# Altium PCB PCB v0.4.PcbDoc (part 1 of 2)
Units mm, origin at the board's own origin, x right, y up, seen from the top; angles counter-clockwise.
Board outline 38 x 38 mm, 8 copper layers (Top, GND Top, Signal 1/3.3V, Signal 2, Power 5/VBat, Signal 3, GND Bottom, Bottom), stack 1.211 mm thick; 176 components, 122 nets, 689 pads, 592 vias.
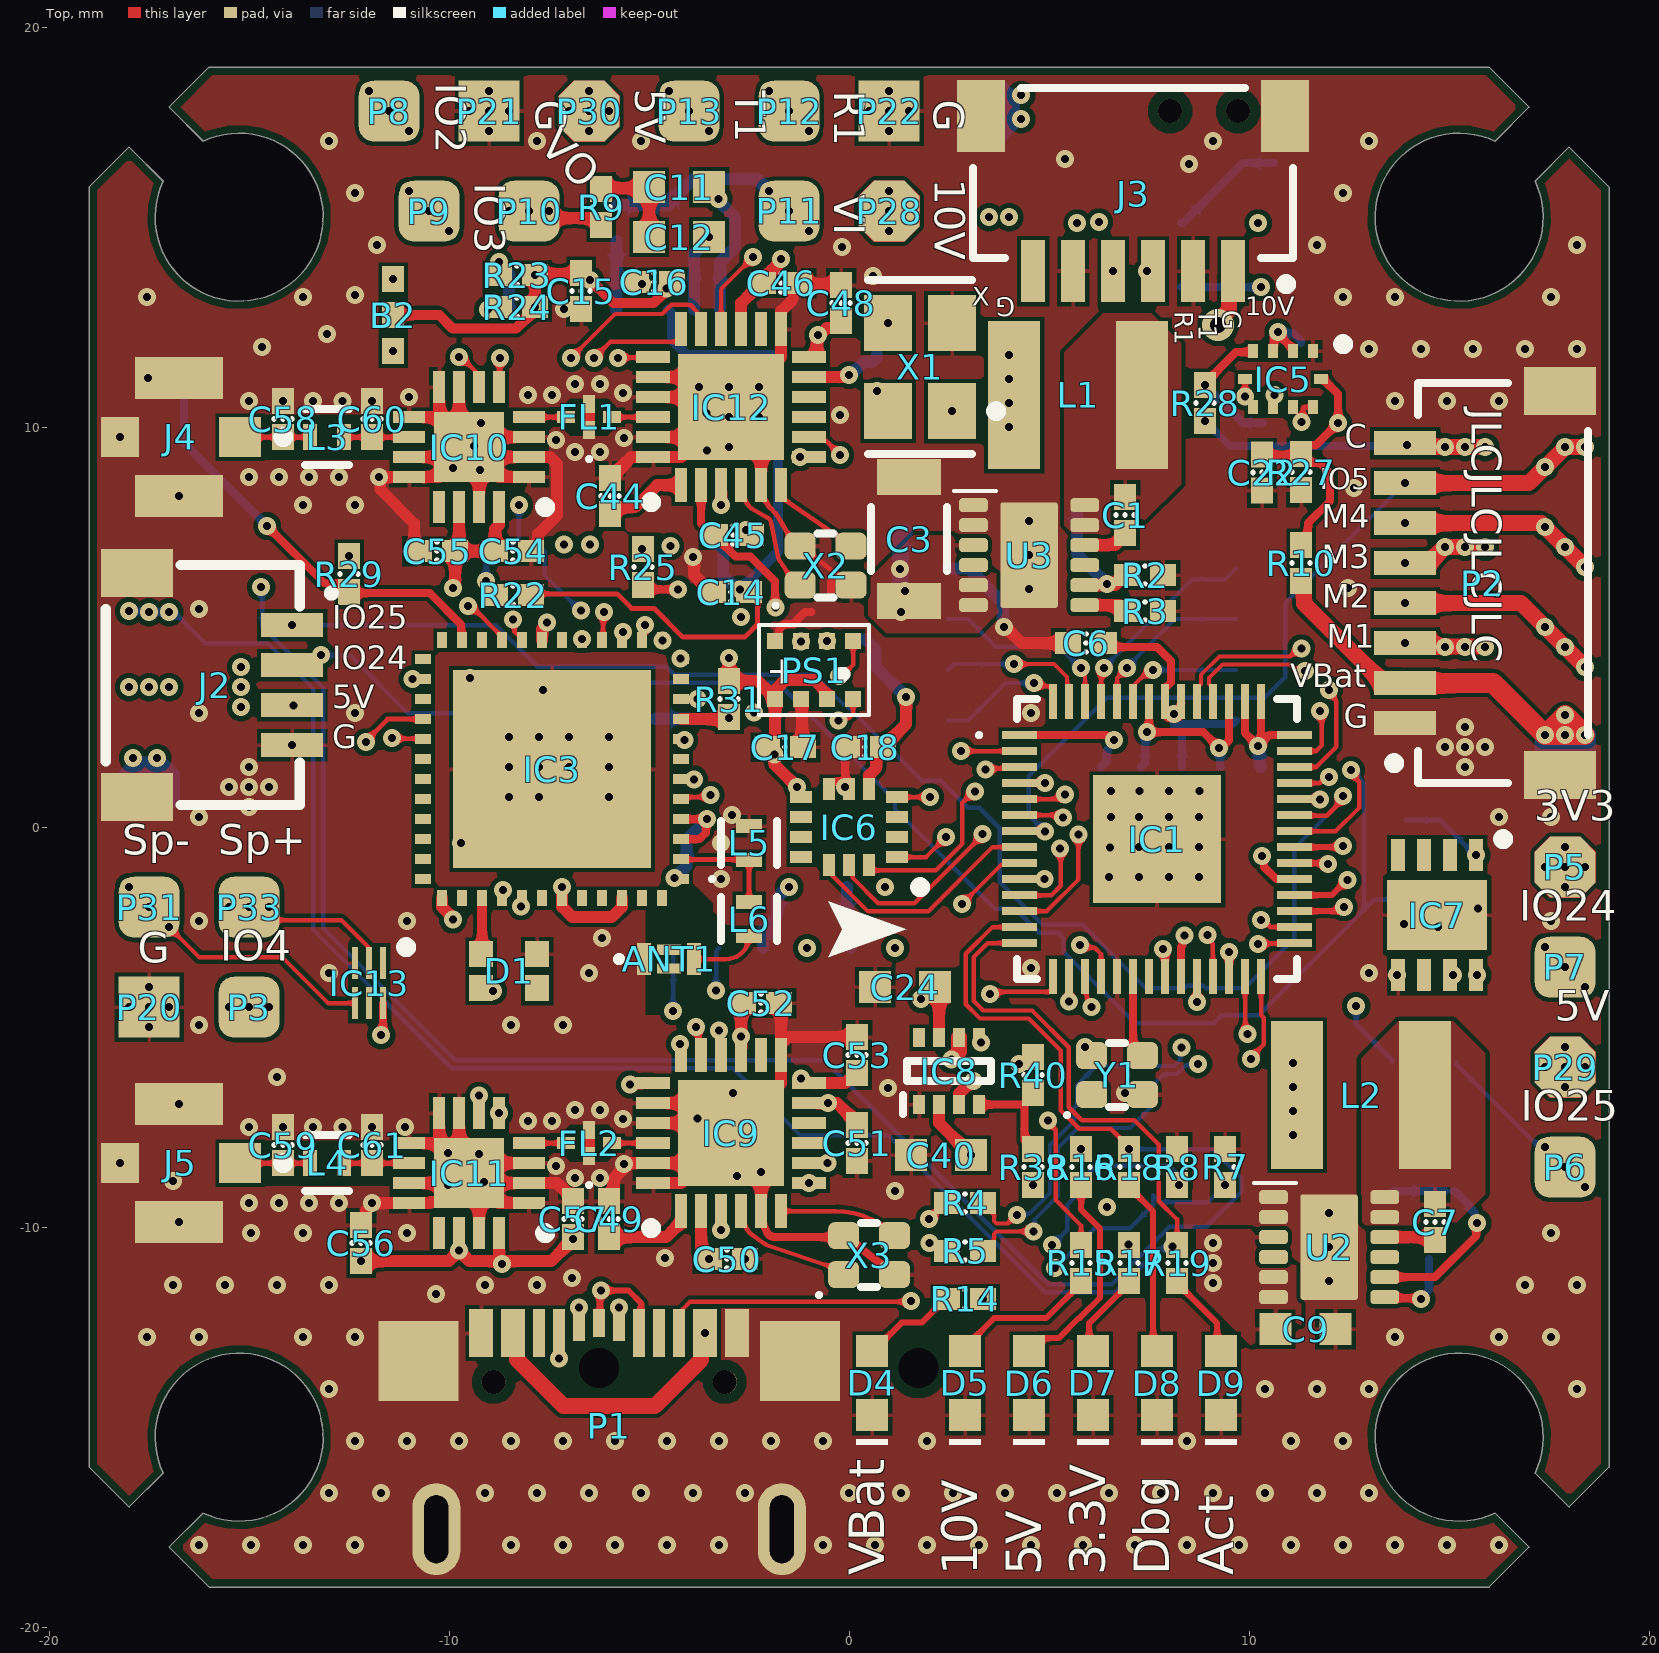
[diagram p0: Top view]
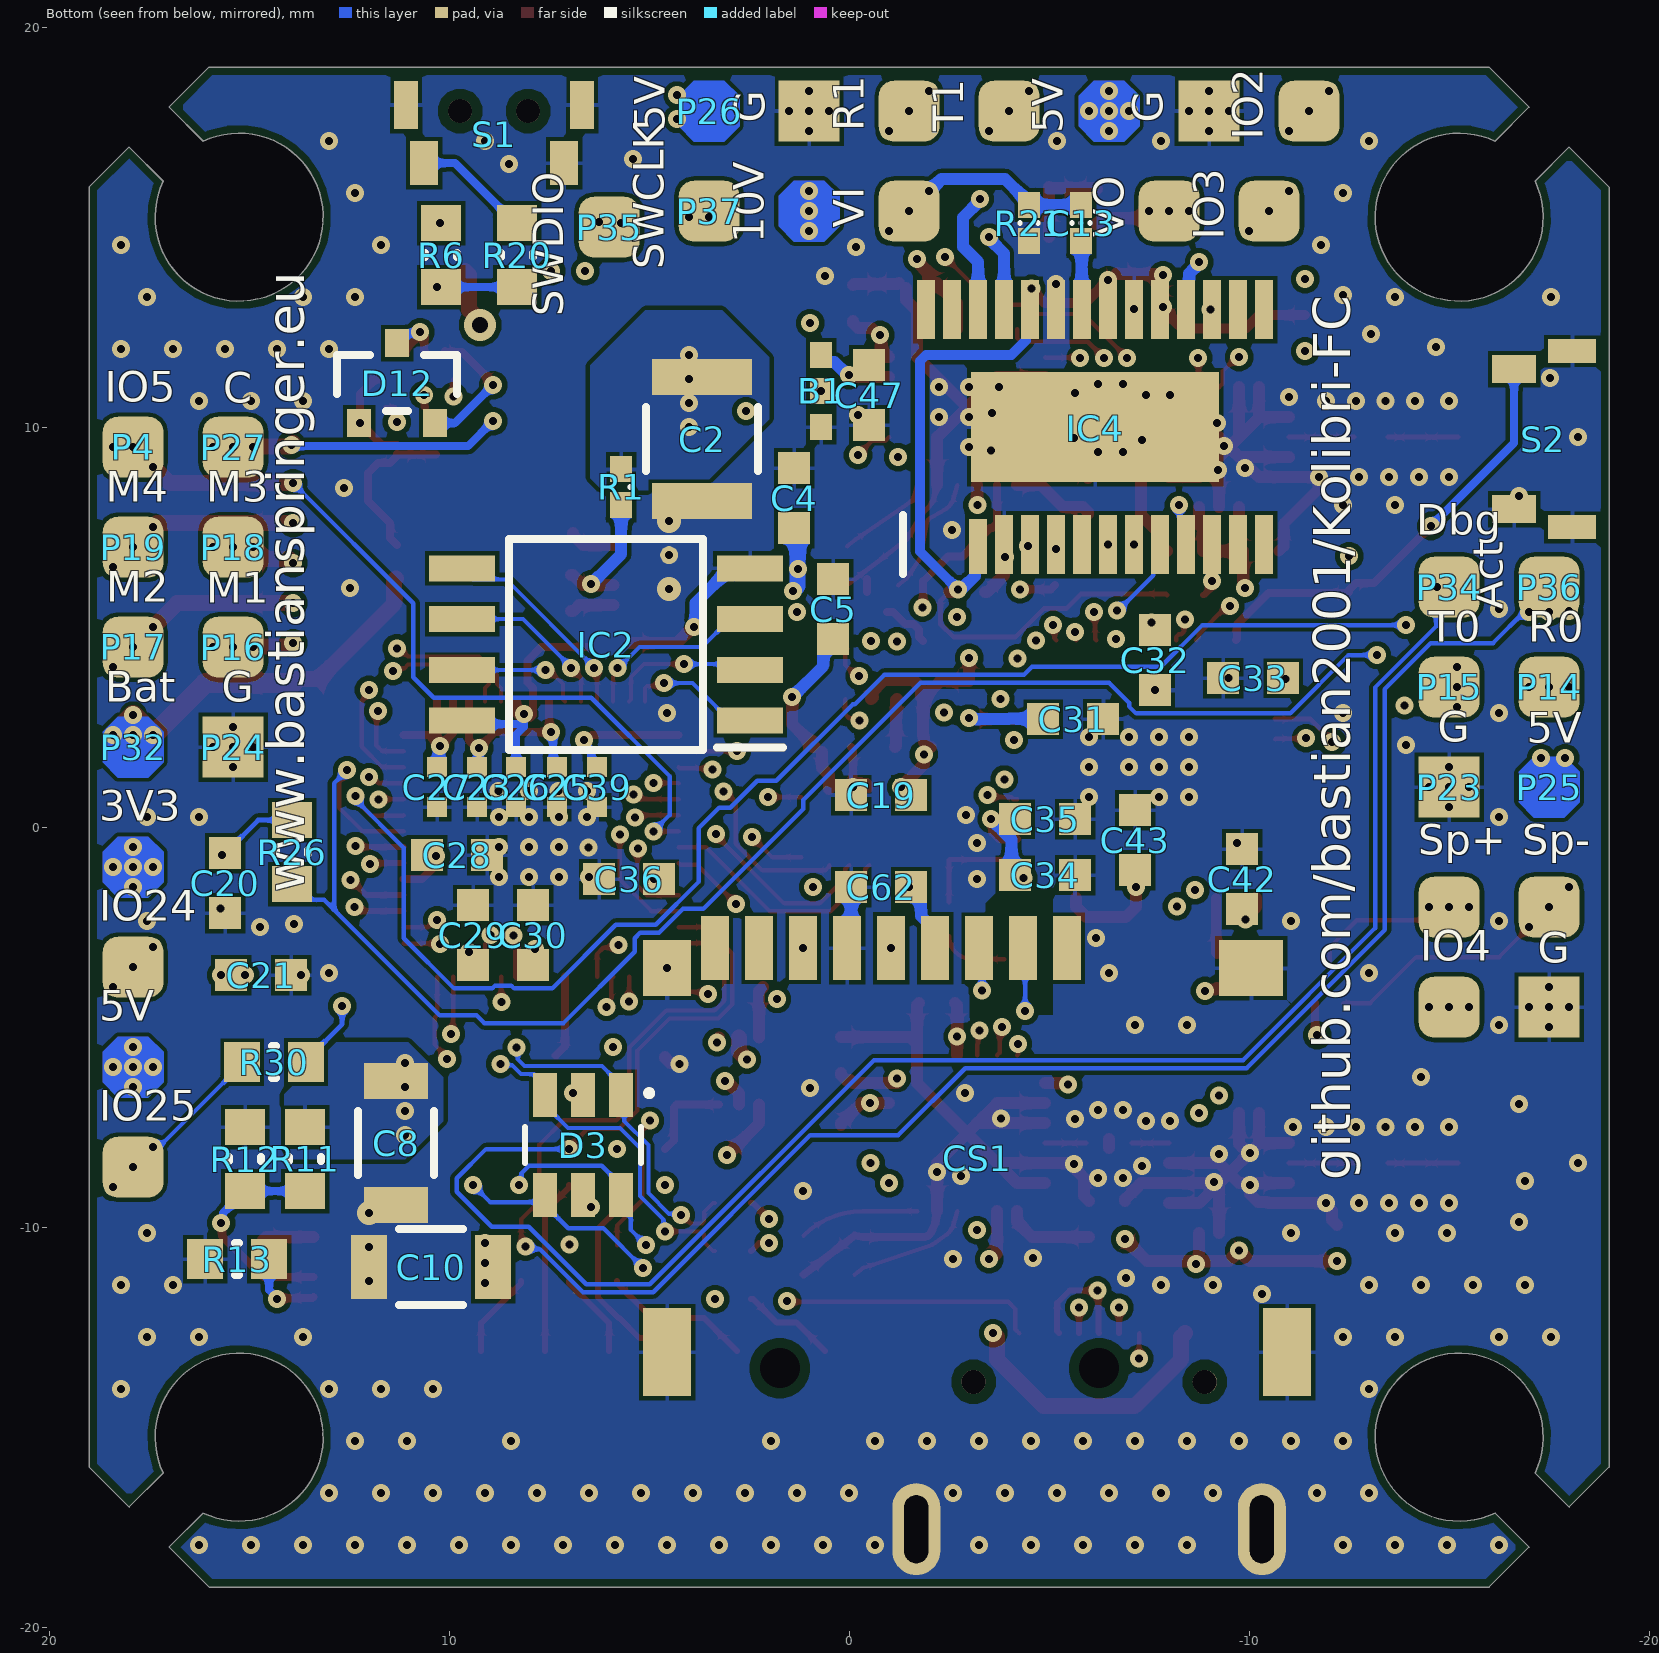
[diagram p1: Bottom view, seen from below]
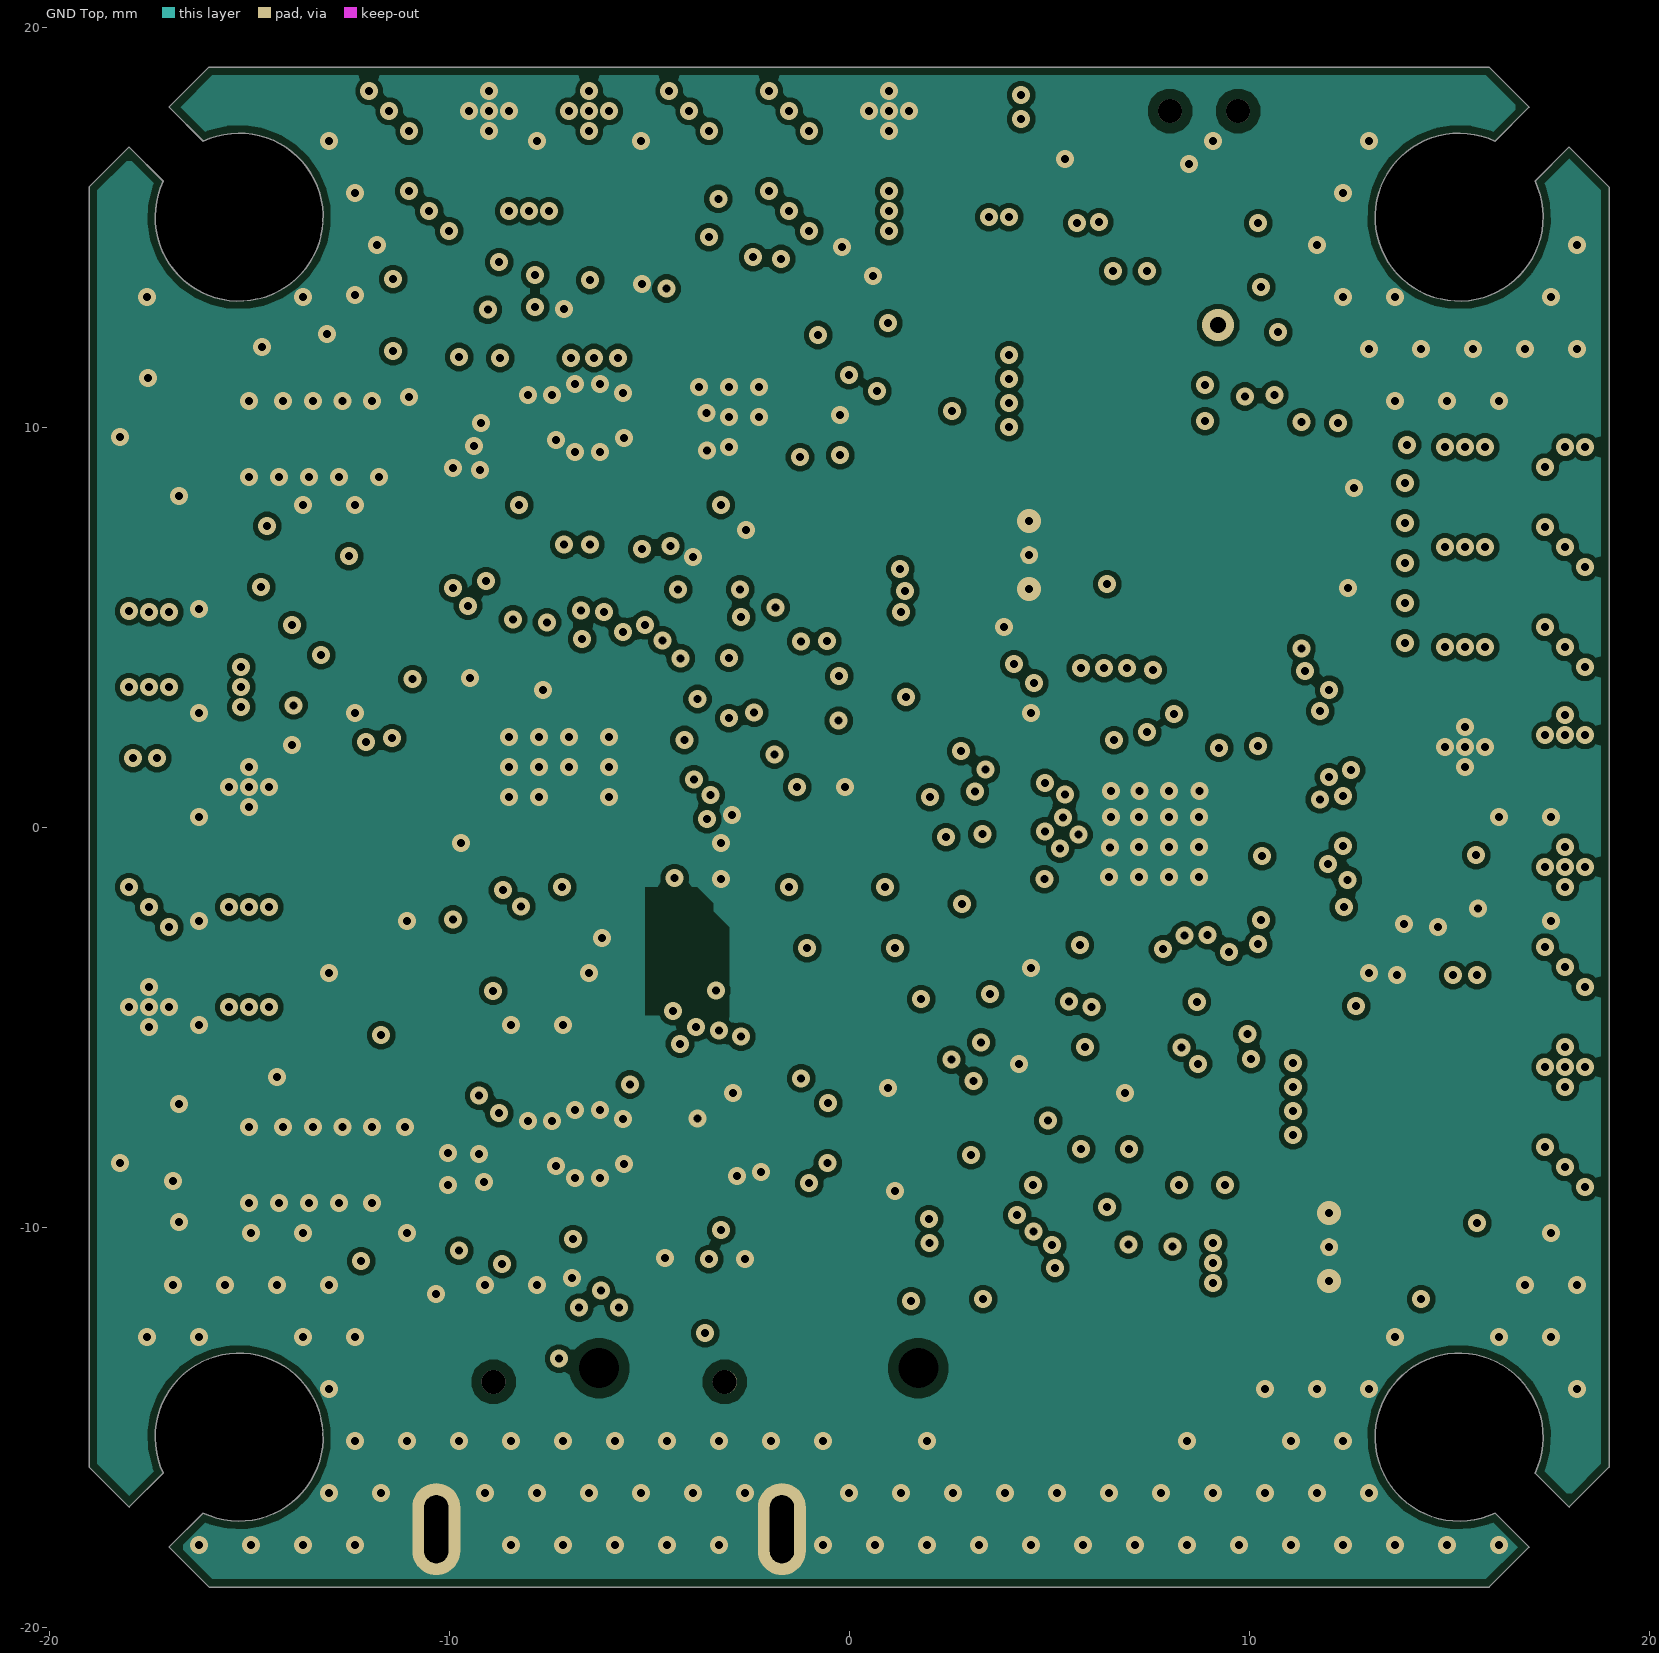
[diagram p2: GND Top]
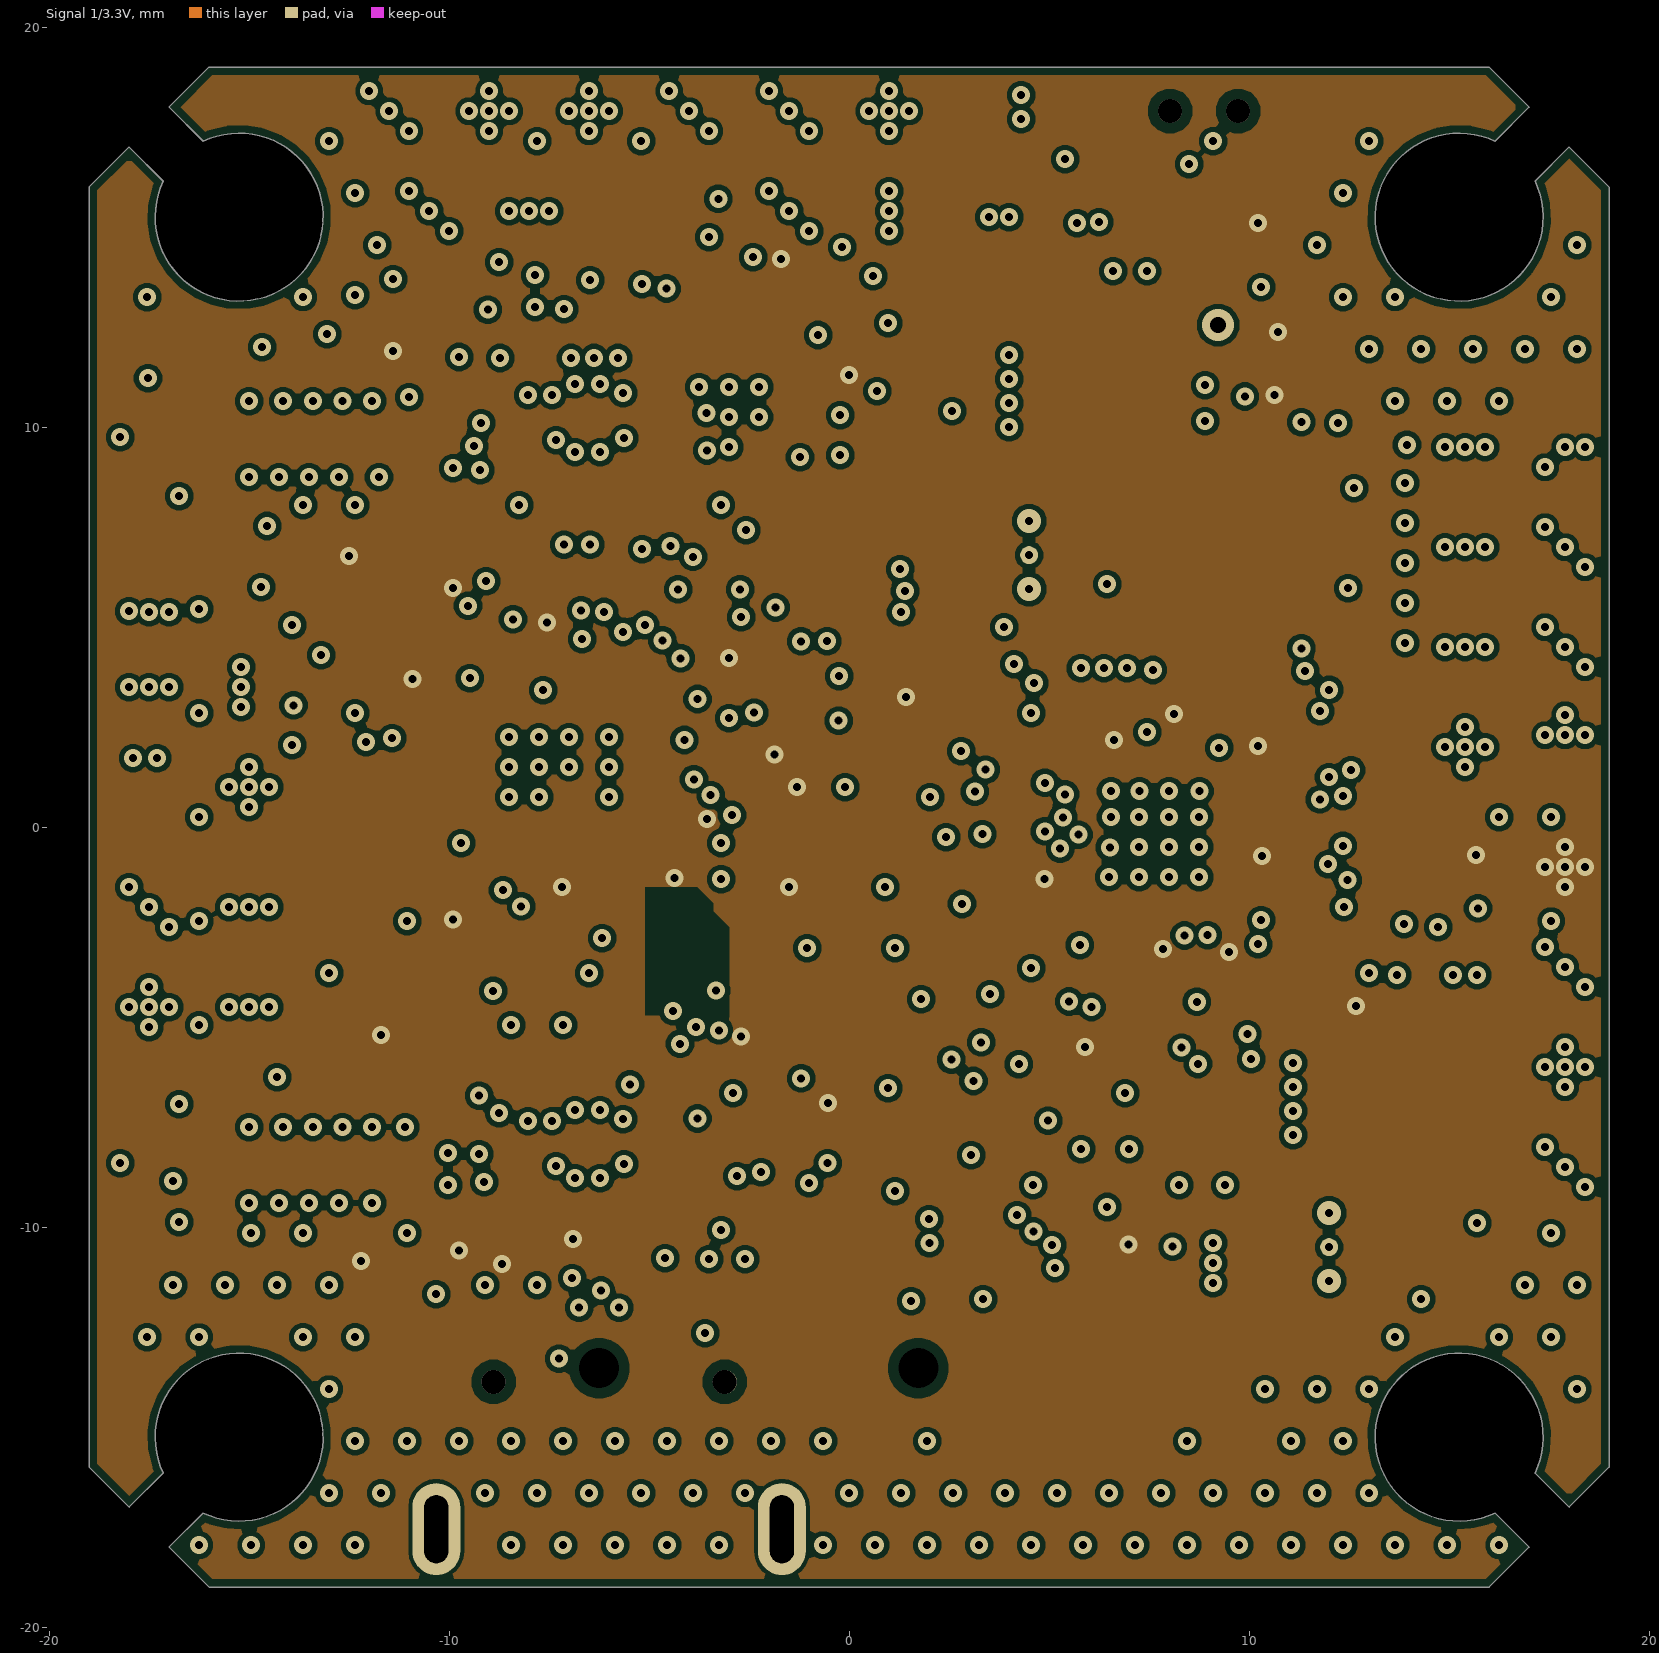
[diagram p3: Signal 1/3.3V]
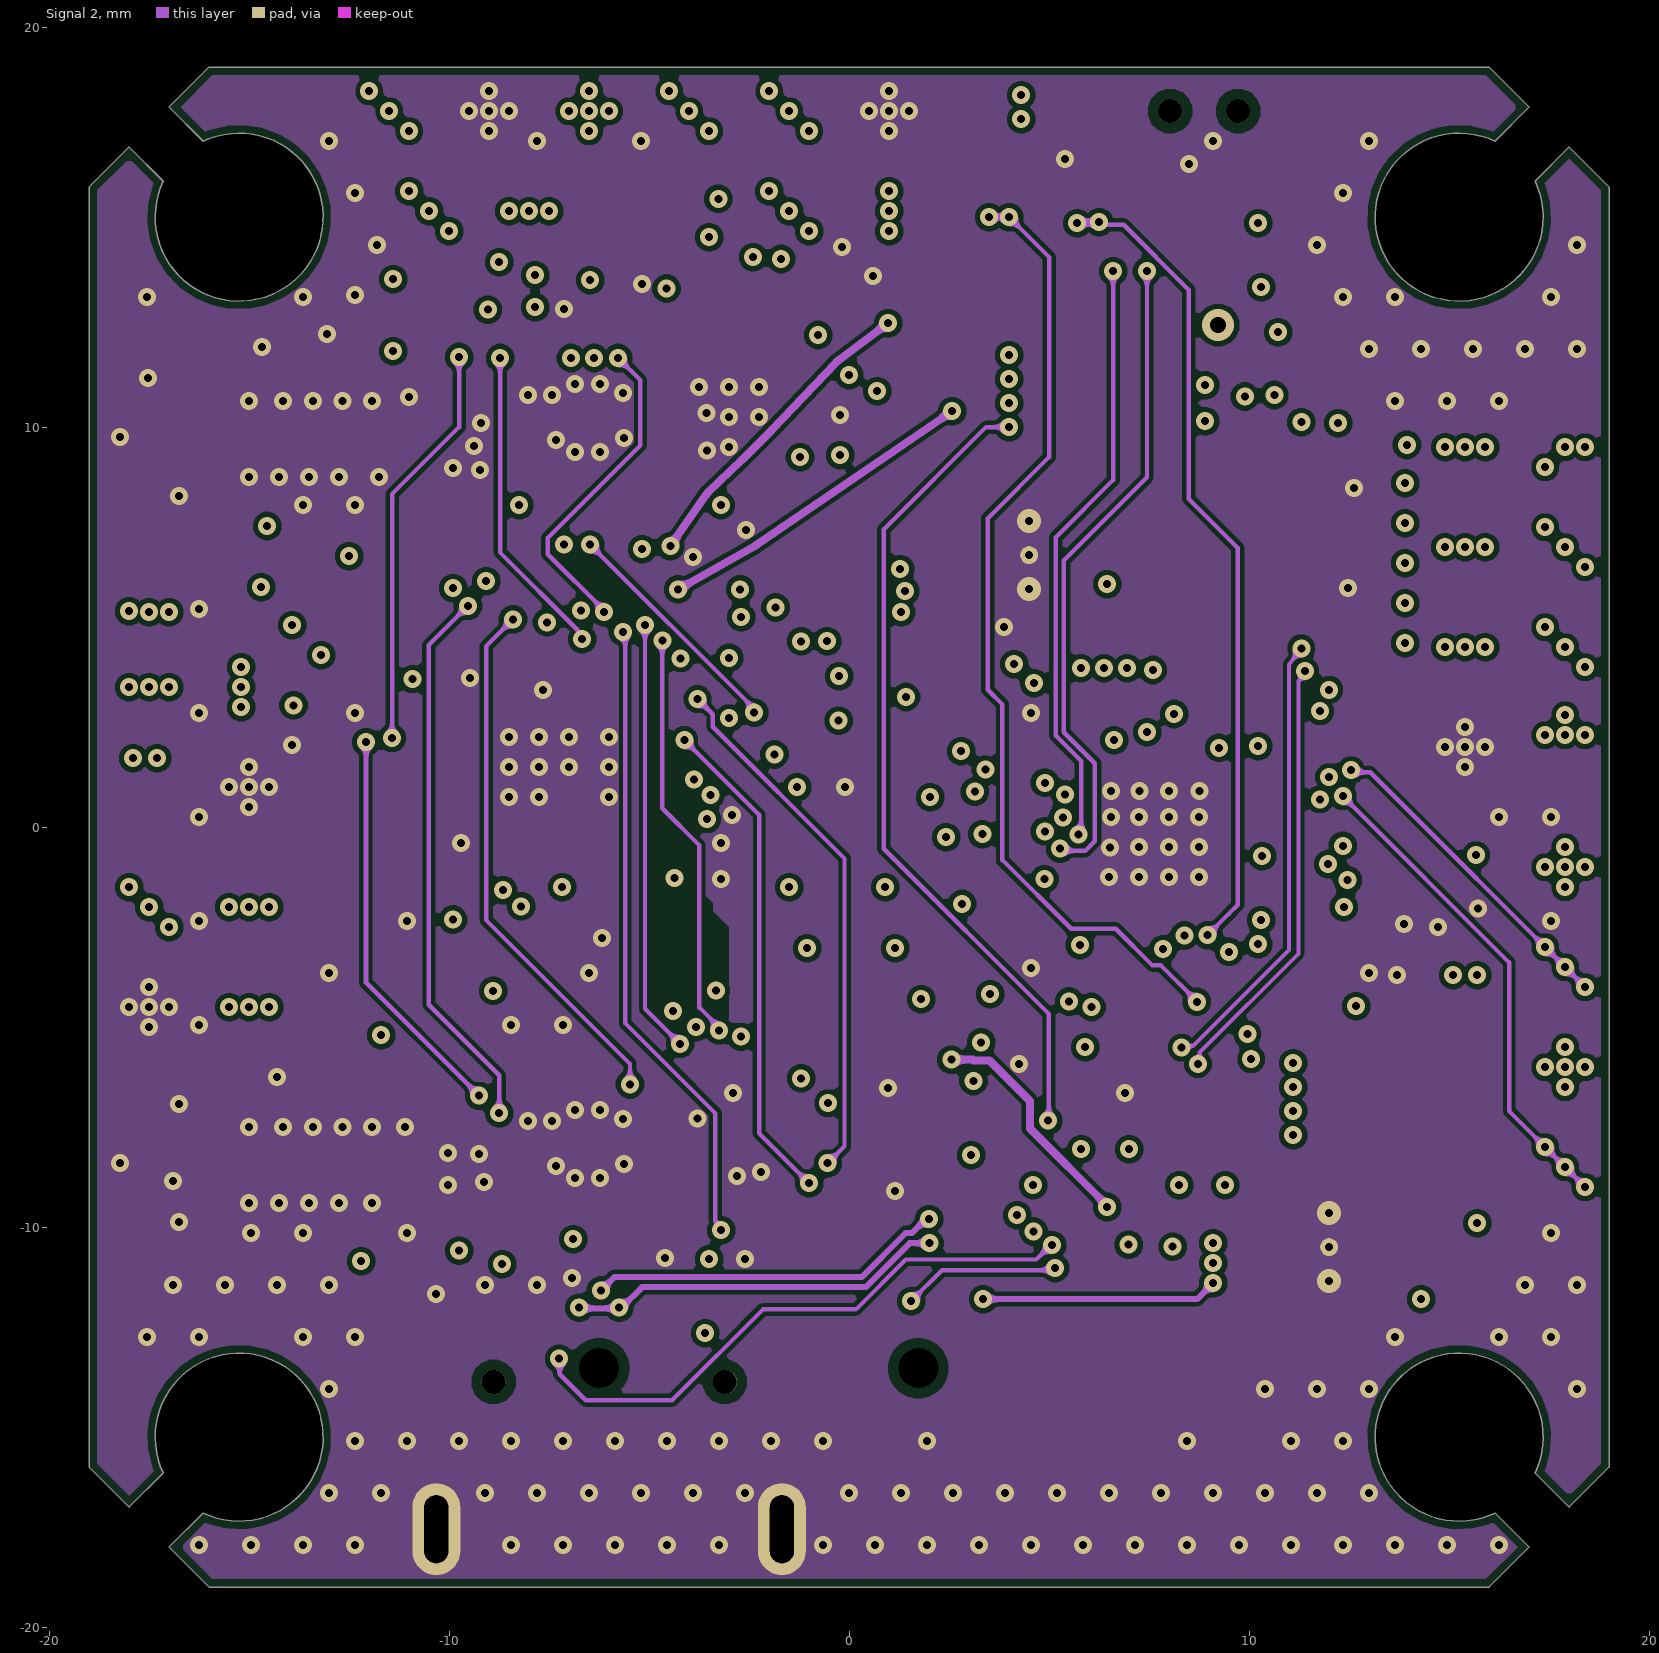
[diagram p4: Signal 2]